# Altium PCB SysUprTestUUUp.PcbDoc (part 2 of 4) (continued)
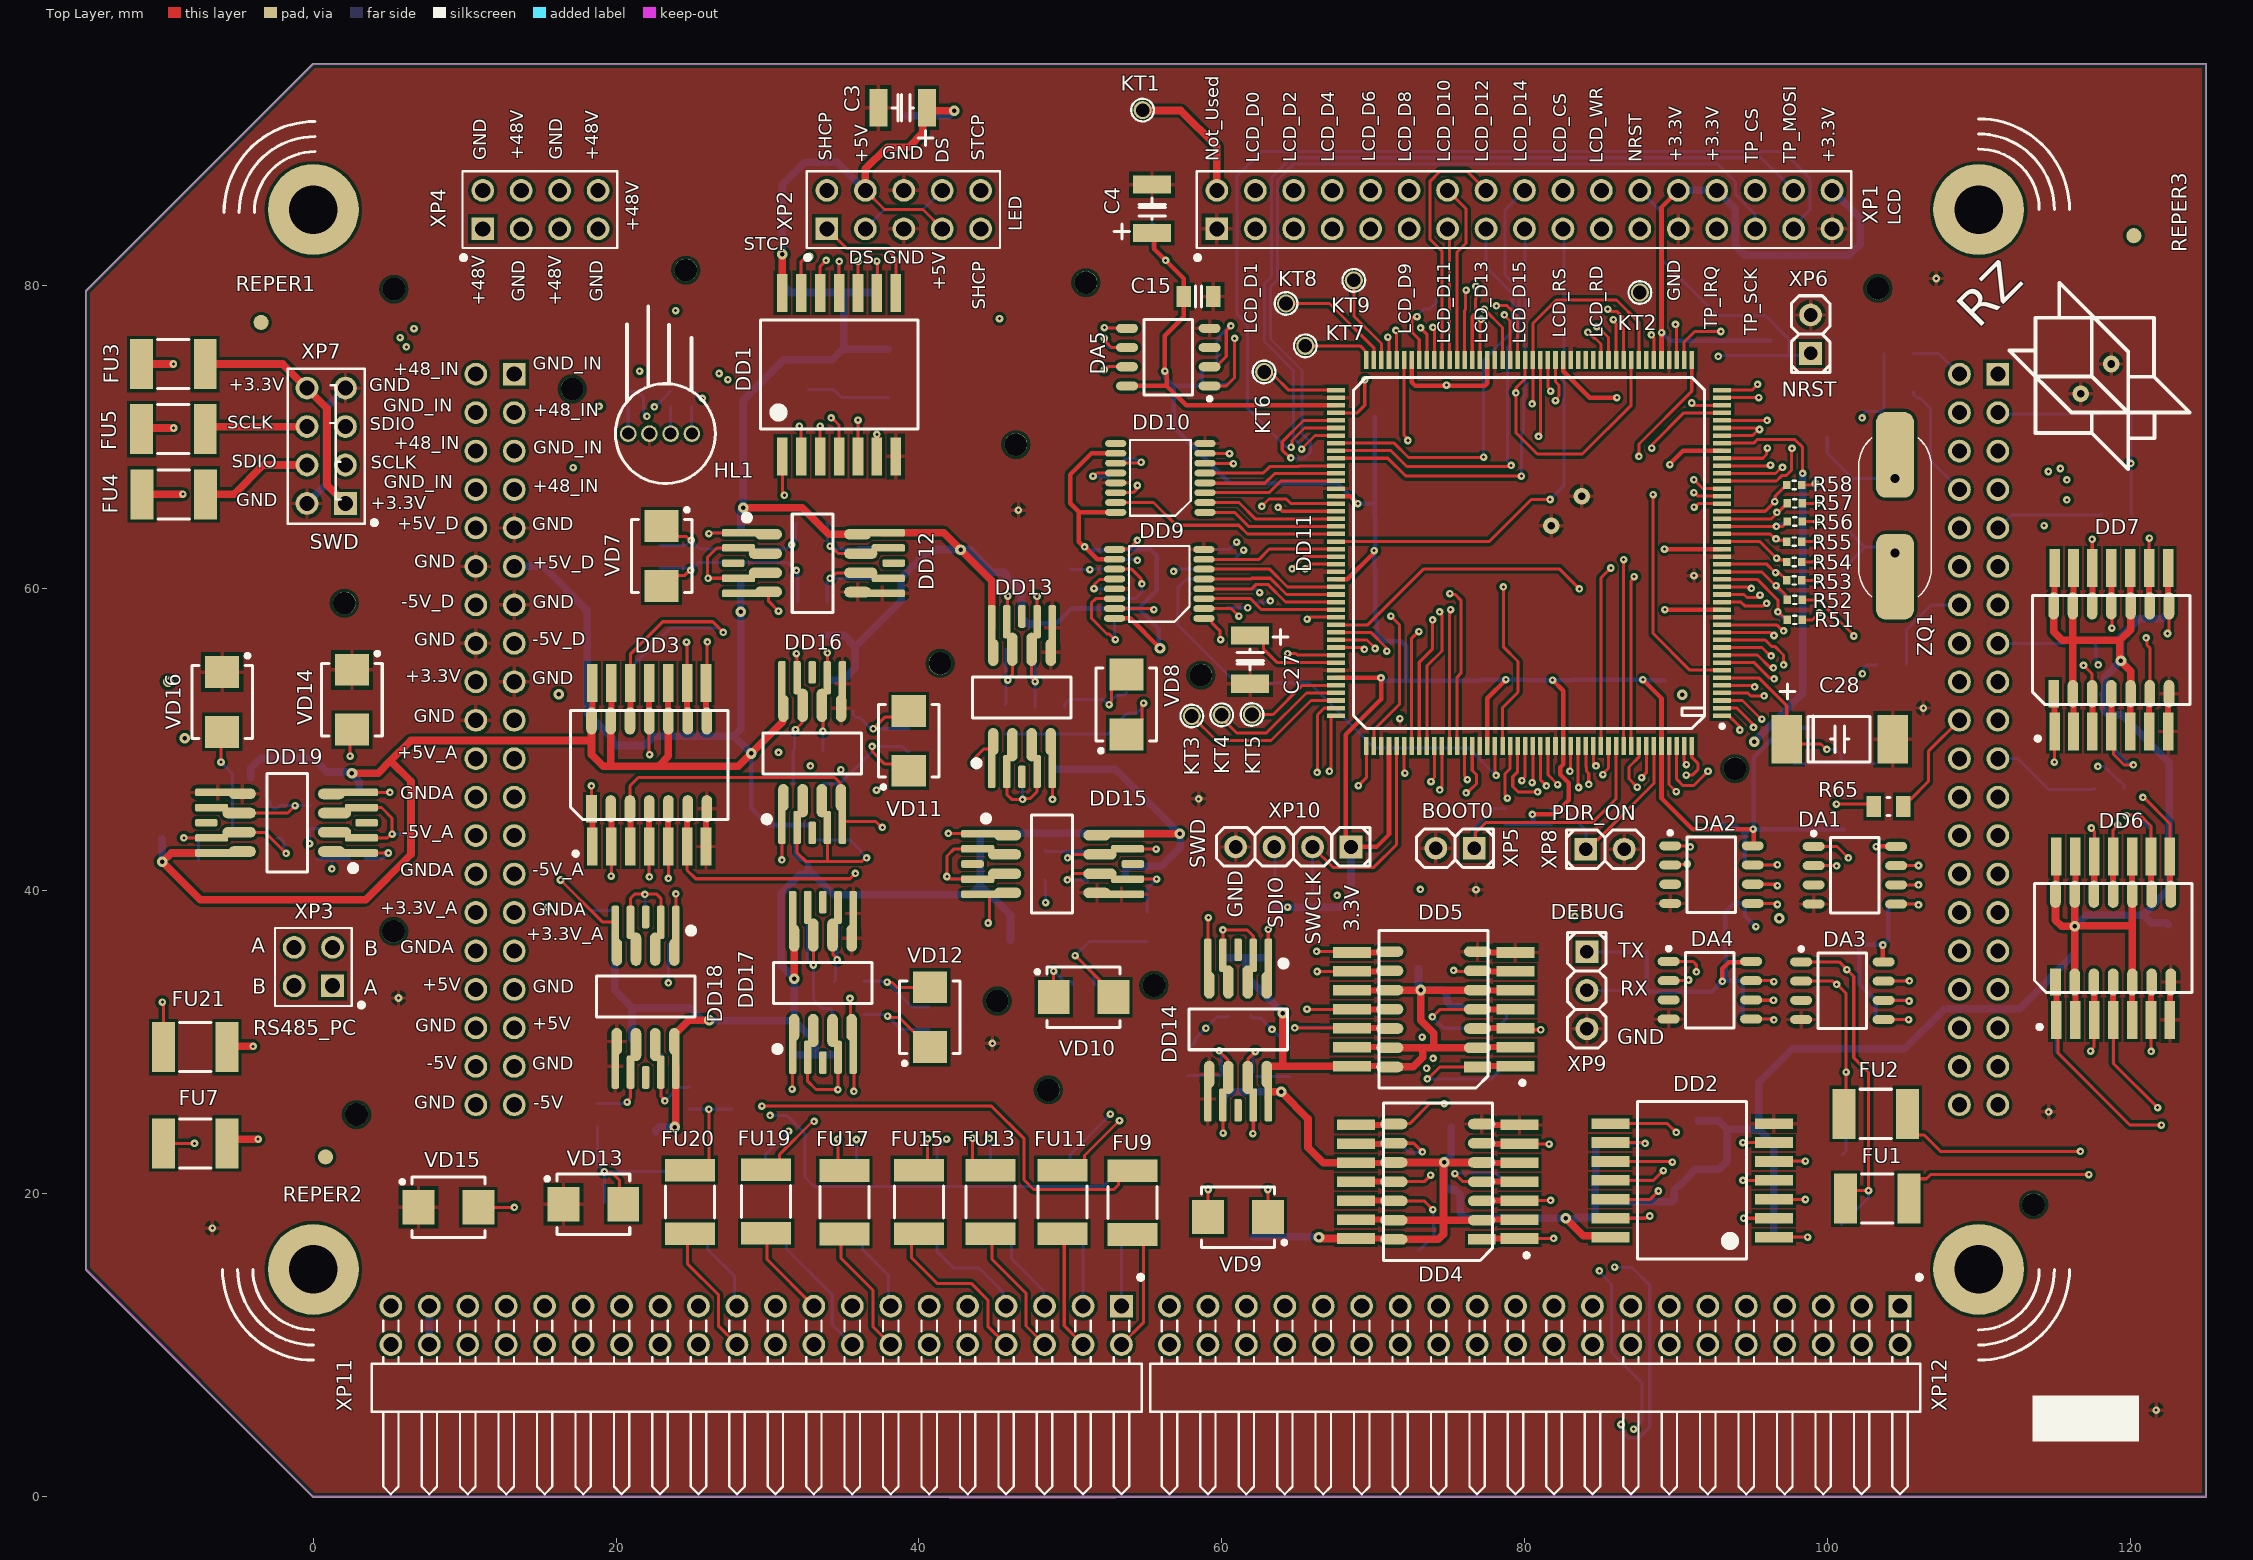
[diagram p0: Top Layer view]
## Nets (pads, with @x,y where several pads share a name; then routed paths per layer and width w, separated by ;. In a path a pad name is that pad's centre, name@x,y a point inside that pad or via, vN(x,y) a via of type N, cw(c..) or ccw(c..) an arc to the next point about the centre after c; other vN are vias at no path point) (continued)
  Mid-Layer 1 w0.2: XP12.13@89.569,12.57 89.693,12.694 89.693,13.718 92.775,16.8 92.775,21.725 v1(94.425,23.375)
ADDR4: DD2.9 DD11.173 R15.1 | length 37.5
  Top Layer w0.2: DD2.9@85.675,23.375 85.687,23.387 87.858,23.387 87.921,23.325 v1(87.975,23.325) ; DD11.173@89.55,49.575 89.55,47.027 v1(90.026,46.551)
  Mid-Layer 1 w0.2: v1(87.975,23.325) 87.975,34.562 88.69,35.277 88.69,43.62 87.46,44.85 87.45,44.85 86.85,45.45 86.85,47.65 87.55,48.35 88.227,48.35 v1(90.026,46.551)
  Bottom Layer w0.2: R15.1@85.7,23.45 85.7,23.425 85.8,23.325 v1(87.975,23.325)
ADDR4_PCB: DD2.8 XP12.14 | length 20.3
  Top Layer w0.2: DD2.8@85.675,24.625 89.45,24.625 v1(90.025,24.05)
  Mid-Layer 1 w0.2: XP12.14@89.569,10.03 88.3,11.299 88.3,14.25 90.525,16.475 90.525,23.524 90.025,24.024 v1(90.025,24.05)
ADDR5: DD2.11 DD11.170 R16.1 | length 36.7
  Top Layer w0.2: DD2.11@85.675,20.875 88.527,20.875 89.175,21.523 v1(89.175,21.525) ; v1(87.741,47.485) 88.05,47.794 DD11.170@88.05,49.575
  Mid-Layer 1 w0.2: v1(87.741,47.485) 89.69,45.536 89.69,33.572 89.175,33.057 v1(89.175,21.525)
  Bottom Layer w0.2: R16.1@85.675,20.9 88.514,20.9 89.139,21.525 v1(89.175,21.525)
ADDR5_PCB: DD2.10 XP12.15 | length 14.8
  Top Layer w0.2: DD2.10@85.675,22.125 89.424,22.125 89.428,22.121 89.737,22.121 v1(89.775,22.083)
  Mid-Layer 1 w0.2: XP12.15@87.029,12.57 87.029,14.129 89.775,16.875 v1(89.775,22.083)
ADDR6: DD2.13 DD11.169 R17.1 | length 37.7
  Top Layer w0.2: DD2.13@85.675,18.375 88,18.375 88.093,18.468 88.218,18.468 v1(88.275,18.525) ; v1(87.45,46.849) 86.9,47.399 86.9,48.18 87.55,48.83 87.55,48.85 DD11.169@87.55,49.575
  Mid-Layer 1 w0.2: v1(87.45,46.849) 87.45,46.794 87.35,46.694 87.35,45.667 88.69,44.327 89.19,43.827 89.19,33.779 88.575,33.164 88.575,23.147 88.25,22.822 88.25,18.55 v1(88.275,18.525)
  Bottom Layer w0.2: R17.1@85.75,18.425 88.034,18.425
ADDR6_PCB: DD2.12 XP12.16 | length 15.4
  Top Layer w0.2: DD2.12@85.675,19.625 88.3,19.625 v1(88.85,20.175)
  Mid-Layer 1 w0.2: XP12.16@87.029,10.03 86.838,10.221 86.838,10.837 85.725,11.95 85.725,14 88.875,17.15 88.875,20.15 v1(88.85,20.175)
BOOT0: DD11.166 R49.1 XP5.1 | length 18.7
  Top Layer w0.2: XP5.1@76.688,42.815 76.764,42.891 76.764,43.839 77.425,44.5 84.475,44.5 86.05,46.075 DD11.166@86.05,49.575
  Bottom Layer w0.2: XP5.1@76.688,42.815 76.688,44.138 77.975,45.425 R49.1@78.775,45.425
CH1_EN: DD11.130 KT3.1 | length 11.3
  Top Layer w0.2: KT3.1@58.025,51.55 59.65,49.925 63.25,49.925 64.375,51.05 65.9,52.575 DD11.130@67.55,52.575
CH2_EN: DD11.129 KT4.1 | length 9.3
  Top Layer w0.2: KT4.1@60,51.625 60,51.425 61,50.425 62.95,50.425 65.6,53.075 DD11.129@67.55,53.075
CH3_EN: DD11.128 KT5.1 | length 6.3
  Top Layer w0.2: KT5.1@62,51.65 63.4,51.65 65.325,53.575 DD11.128@67.55,53.575
CH4_EN: DD11.89 KT6.1 | length 5
  Top Layer w0.2: KT6.1@63.075,74.425 63.425,74.075 64.425,73.075 DD11.89@67.55,73.075
CH5_EN: DD11.88 KT7.1 | length 4.7
  Top Layer w0.2: KT7.1@65.525,76 69.15,76 69.55,75.6 DD11.88@69.55,75.075
CH6_EN: DD11.87 KT8.1 | length 8.5
  Top Layer w0.2: KT8.1@64,78.799 67.126,78.799 70.05,75.875 DD11.87@70.05,75.075 ; KT8.1@64.25,78.849 64.512,78.849 KT8.1@64.512,79
CH7_EN: DD11.86 KT9.1 | length 6
  Top Layer w0.2: KT9.1@68.725,80.325 68.725,77.975 70.55,76.15 DD11.86@70.55,75.075
DS_MISO: DD11.1 XS2.33 | length 31.4
  Top Layer w0.2: DD11.1@93.05,51.575 93.5,51.575 94.187,50.888
  Mid-Layer 2 w0.2: v1(94.225,50.625) 94.225,50.668 95.482,51.925 98.25,51.925 100.525,49.65 100.525,48.5 105.475,43.55 105.475,36.65 107.185,34.94 109.331,34.94 110.18,34.091 110.532,33.739 111.021,33.739 XS2.33@111.27,33.49
DS_MOSI: DD11.2 XS2.34 | length 27.5
  Top Layer w0.2: DD11.2@93.05,52.075 94.025,52.075 95.112,50.988 95.112,50.813 v1(95.13,50.795)
  Mid-Layer 2 w0.2: v1(95.13,50.795) 95.15,50.775 97,50.775 104.675,43.1 104.675,36.319 107.504,33.49 XS2.34@108.73,33.49
GND: C1.1 C2.1 C3.1 C4.1 C5.2 C6.2 C7.1 C8.1 C9.1 C10.2 C11.1 C12.2 C13.1 C14.2 C15.1 C16.1 C17.2 C18.1 C19.2 C20.1 C21.2 C22.1 C23.2 C24.1 C25.1 C26.1 C27.1 C28.1 C29.1 C30.1 C31.1 C32.1 C33.2 C34.2 C35.2 C36.2 C37.2 C38.2 C39.1 C40.1 C41.1 C42.1 C43.1 C44.1 C45.1 C46.1 C47.1 C48.1 C55.1 C56.1 C57.1 C58.1 DA1.4 DA2.4 DA3.4 DA4.4 DA5.4 DD1.7 DD2.7 DD3.7 DD4.7 DD5.7 DD6.7 DD7.7 DD8.8 DD8.13 DD9.8 DD9.13 DD10.8 DD10.13 DD11.14 DD11.22 DD11.48 DD11.61 DD11.71 DD11.90 DD11.102 DD11.113 DD11.126 DD11.135 DD11.148 DD11.158 DD12.5 DD13.5 DD14.5 DD15.5 DD16.5 DD17.5 DD18.5 DD19.5 HL1.3 R1.2 R5.2 R6.2 R7.2 R8.2 R18.2 R19.2 R20.2 R21.2 R22.2 R30.2 R31.2 R32.2 R33.2 R34.2 R35.2 R36.2 R37.2 R38.2 R39.2 R40.2 R41.2 R42.2 R43.2 R44.2 R45.2 R46.2 R47.2 R48.2 R75.1 R76.1 R77.1 R83.1 R92.1 R93.1 R97.1 R98.1 R103.2 R104.2 R117.1 R118.1 R119.1 R120.1 R121.1 R122.1 VD1.KA1 VD2.KA1 VD3.KA1 VD4.KA1 VD5.KA2 VD13.KA1 VD14.KA1 VD15.KA1 VD16.KA1 XP1.1 XP1.25 XP1.33 XP2.5 XP2.6 XP5.2 XP6.2 XP7.2 XP7.7 XP8.2 XP9.3 XP10.4 XS1.9 XS1.12 XS1.13 XS1.16 XS1.17 XS1.20 | length 14.2
  Bottom Layer w0.2: VD5.KA2@-7.15,75.204 VD5.KA2@-7.125,75.179 ; VD4.KA1@-7.125,66.021 VD4.KA1@-7.1,65.996 ; C10.2@32.7,73.125 34.35,73.125 34.9,72.575 C9.1@37.975,72.575
  Bottom Layer w0.5: XP7.2@-0.42,65.59 0.85,66.86 0.85,71.94 XP7.7@2.12,73.21
  other v1: 121.725,5.7 -6.675,17.725 114.625,25.4 44.85,29.925 5.625,32.925 76.8,40.075 58.475,46.075 71.774,51.376 106.35,52.075 91.2,60.825 46.575,65.15 107.2,80.45
  other v3: 81.775,64.125 83.775,66.075 116.75,72.825 118.75,74.8
GND_IN: XP4.2 XP4.3 XP4.6 XP4.7 XS1.1 XS1.4 XS1.5 XS1.8 | length 31.3
  Mid-Layer 1 w0.5: XP4.2@11.19,86.27 XP4.3@13.73,83.73 ; XS1.1@13.27,74.13 13.625,74.485 13.625,83.625 XP4.3@13.73,83.73 ; XP4.7@18.81,83.73 XP4.6@16.27,86.27 XP4.3@13.73,83.73
  Mid-Layer 2 w0.5: XS1.8@10.73,66.51 XS1.5@13.27,69.05 XS1.4@10.73,71.59 XS1.1@13.27,74.13
GND_PCB: XP11.37 XP11.38 XS1.33 XS1.36 XS1.37 XS1.40 | length 27.9
  Mid-Layer 1 w0.5: XP11.37@7.66,12.57 7.66,18.56 10.73,21.63 XS1.40@10.73,25.87
  Mid-Layer 2 w0.5: XS1.40@10.73,25.87 XS1.37@13.27,28.41 XS1.36@10.73,30.95 XS1.33@13.27,33.49
  Bottom Layer w0.5: XP11.38@7.66,10.03 XP11.37@7.66,12.57
GNDA: DD11.37 R67.2 R68.2 R69.2 R70.2 R71.2 R72.2 R73.2 R74.2 XS1.21 XS1.24 XS1.25 XS1.28 XS1.29 XS1.32 | length 142.9
  Top Layer w0.2: DD11.37@93.05,69.575 95.137,69.575 95.362,69.8 97.875,69.8 98.375,69.3 v1(98.375,67.573)
  Mid-Layer 1 w0.5: v2(95.175,49.85) 95.85,49.175 95.85,38.666 96.293,38.224 96.801,38.224 v2(96.825,38.2)
  Mid-Layer 2 w0.5: XS1.32@10.73,36.03 XS1.29@13.27,38.57 XS1.28@10.73,41.11 XS1.25@13.27,43.65 ; XS1.21@13.27,48.73 XS1.24@10.73,46.19 XS1.25@13.27,43.65 ; v2@96.825,38.15 v2(96.825,38.2) 95.875,38.2 94.975,39.1 90.85,39.1 88.4,41.55 83.114,41.55 83.089,41.575 54.25,41.575 52.95,42.875 35.375,42.875 34.6,43.65 XS1.25@13.27,43.65
  Bottom Layer w0.5: v2(95.175,49.85) 98.375,53.05 v1(98.375,67.573)
I2C_SCL: DA5.2 DD11.84 R29.2 | length 19.8
  Top Layer w0.2: DA5.2@59.2,74.62 59.625,74.62 60.3,75.295 60.3,76.997 60.6,77.297 v1(60.6,77.325) ; v1(71.507,77.025) 71.55,76.982 DD11.84@71.55,75.075
  Mid-Layer 2 w0.2: v1(60.6,77.325) 60.681,77.325 60.806,77.45 71.082,77.45 v1(71.507,77.025)
  Bottom Layer w0.2: R29.2@59.675,74.625 59.675,76.475 60.525,77.325 v1(60.6,77.325)
I2C_SDA: DA5.1 DD11.85 R28.2 | length 20.5
  Top Layer w0.2: DA5.1@59.2,73.35 60.3,73.35 60.85,73.9 v1(60.85,76.5) ; v1(70.975,76.57) 70.975,76.489 71.05,76.414 DD11.85@71.05,75.075
  Mid-Layer 2 w0.2: v1(60.85,76.5) 60.869,76.5 61.319,76.95 70.521,76.95 70.902,76.57 v1(70.975,76.57)
  Bottom Layer w0.2: R28.2@59.675,73.35 59.675,73.375 59.775,73.475 60.45,73.475 60.85,73.875 v1(60.85,76.5)
INT1_CP: DD4.3 DD11.160 | length 32.7
  Top Layer w0.2: DD4.3@79.673,19.538 81.713,19.538 v1(81.725,19.55) ; v1(83,47.9) 83.05,47.95 DD11.160@83.05,49.575
  Mid-Layer 1 w0.2: v1(81.725,19.55) 81.725,19.575 82.45,20.3 82.45,45.371 83.025,45.946 83.025,47.875 v1(83,47.9)
INT1_PCB: DD4.1 R30.1 XP12.26 | length 18.3
  Top Layer w0.2: DD4.1@79.673,17.038 81.913,17.038 v1(81.925,17.05)
  Mid-Layer 1 w0.2: XP12.26@74.329,10.03 73.175,11.184 73.175,14.575 75.65,17.05 v1(81.925,17.05)
  Bottom Layer w0.2: R30.1@80.65,17.05 v1(81.925,17.05)
INT2_CP: DD4.6 DD11.156 | length 28.5
  Top Layer w0.2: DD4.6@79.673,23.288 81.612,23.288 v1(81.625,23.275) ; DD11.156@81.05,49.575 81.05,47.341 v1(81.451,46.94)
  Mid-Layer 1 w0.2: v1(81.451,46.94) 81.451,46.886 81.625,46.712 v1(81.625,23.275)
INT2_PCB: DD4.4 R31.1 XP12.27 | length 19.6
  Top Layer w0.2: v1(75.4,21.325) 75.937,20.788 77.233,20.788 DD4.4@79.673,20.788
  Mid-Layer 1 w0.2: XP12.27@71.789,12.57 71.844,12.625 71.844,14.469 75.8,18.425 75.8,20.925 v1(75.4,21.325)
  Bottom Layer w0.2: v1(75.4,21.325) 75.45,21.375 78.1,21.375 78.65,20.825 R31.1@79.625,20.825
INT3_CP: DD4.8 DD11.155 | length 30.1
  Top Layer w0.2: DD4.8@71.373,24.598 71.401,24.626 72.426,24.626 73.75,25.95 v1(74.688,25.95) ; v1(80.51,47.143) 80.548,47.181 80.548,47.345 80.55,47.347 DD11.155@80.55,49.575
  Mid-Layer 1 w0.2: v1(74.688,25.95) 74.726,25.988 74.988,25.988 79.975,30.975 79.975,46.608 v1(80.51,47.143)
INT3_PCB: DD4.9 R32.1 XP12.28 | length 22.5
  Top Layer w0.2: DD4.9@68.873,23.288 70.641,23.288 70.643,23.289 DD4.9@71.311,23.289 ; DD4.9@71.313,23.288 71.353,23.328 72.68,23.328 v1(73.25,22.758)
  Mid-Layer 1 w0.2: XP12.28@71.789,10.03 70.494,11.325 70.494,14.119 74.75,18.375 74.75,19.45 73.25,20.95 v1(73.25,22.758)
  Bottom Layer w0.2: R32.1@71.225,23.275 71.225,23.27 71.805,23.27 72.35,22.725 73.217,22.725 v1(73.25,22.758)
INT4_CP: DD4.11 DD11.154 | length 33.6
  Top Layer w0.2: DD4.11@71.313,20.788 73.38,20.788 73.8,21.208 v1(73.8,21.229) ; v1(79.825,47.287) 79.825,47.329 80.05,47.554 DD11.154@80.05,49.575
  Mid-Layer 1 w0.2: v1(73.8,21.229) 73.8,26.65 79.5,32.35 79.5,46.95 79.825,47.275 v1(79.825,47.287)
INT4_PCB: DD4.12 R33.1 XP12.29 | length 16.8
  Top Layer w0.2: DD4.12@68.873,19.538 71.313,19.538 71.333,19.518 73.38,19.518 v1(73.95,18.948)
  Mid-Layer 1 w0.2: XP12.29@69.249,12.57 69.249,14.247 v1(73.95,18.948)
  Bottom Layer w0.2: R33.1@73.05,16.275 73.05,16.3 73.075,16.3 74.025,17.25 74.025,17.75 73.988,17.787 73.988,18.909 v1(73.95,18.948)
INT5_CP: DD5.3 DD11.153 | length 22.1
  Top Layer w0.2: DD5.3@79.4,30.928 79.503,30.825 v1(81.075,30.825) ; DD11.153@79.55,49.575 79.55,47.868 79.225,47.543 79.225,46.9 79.589,46.536 80.865,46.536 v1(80.873,46.544)
  Mid-Layer 1 w0.2: v1(80.873,46.544) 80.873,46.463 81.075,46.262 v1(81.075,30.825)
INT5_PCB: DD5.1 R34.1 XP12.30 | length 30.1
  Top Layer w0.2: v1(73.58,27.583) 73.622,27.583 74.388,28.35 76.882,28.35 DD5.1@76.93,28.398 ; DD5.1@79.37,28.398 DD5.1@79.4,28.428
  Mid-Layer 1 w0.2: XP12.30@69.249,10.03 67.975,11.304 67.975,21.979 v1(73.58,27.583)
  Bottom Layer w0.2: v1(73.58,27.583) 77.808,27.583 78.625,28.4 R34.1@79.2,28.4
INT6_CP: DD5.6 DD11.152 | length 20.6
  Top Layer w0.2: v1(75.325,34.75) 75.379,34.75 75.451,34.678 76.96,34.678 DD5.6@79.4,34.678 ; v1(78.875,46.125) 78.875,46.179 78.725,46.329 78.725,47.75 79.05,48.075 DD11.152@79.05,49.575
  Mid-Layer 1 w0.2: v1(75.325,34.75) 78.875,38.3 v1(78.875,46.125)
INT6_PCB: DD5.4 R35.1 XP12.31 | length 35.3
  Top Layer w0.2: v1(73.919,31.671) 74.397,32.15 76.872,32.15 DD5.4@76.9,32.178 ; DD5.4@76.96,32.178 DD5.4@79.4,32.178
  Mid-Layer 1 w0.2: XP12.31@66.709,12.57 66.709,13.831 65.625,14.915 65.625,24.5 72.796,31.671 v1(73.919,31.671)
  Bottom Layer w0.2: v1(73.919,31.671) 74.665,30.925 78.175,30.925 78.8,31.55 R35.1@78.8,32.15
INT7_CP: DD5.8 DD11.112 | length 31.1
  Top Layer w0.2: v1(65.525,61.275) 65.542,61.275 65.842,61.575 DD11.112@67.55,61.575 ; v1(66.275,36) 68.528,36 DD5.8@68.6,35.928
  Mid-Layer 1 w0.2: v1(65.525,61.275) 65.1,60.85 65.1,56.293 65.3,56.093 65.3,45.934 67.075,44.159 67.075,36.8 v1(66.275,36)
INT7_PCB: DD5.9 R36.1 XP12.32 | length 29.5
  Top Layer w0.2: v1(66.3,34.675) 68.597,34.675 DD5.9@68.6,34.678
  Mid-Layer 1 w0.2: v1(66.3,34.675) 66.325,34.65 66.325,26.175 64.975,24.825 64.975,14.575 65.5,14.05 65.5,11.239 XP12.32@66.709,10.03
  Bottom Layer w0.2: v1(66.3,34.675) R36.1@67.6,34.675
INT8_CP: DD5.11 DD11.111 | length 35.7
  Top Layer w0.2: v1(64.65,61.275) 65.45,62.075 DD11.111@67.55,62.075 ; v1(65.637,32.188) 65.647,32.178 DD5.11@68.6,32.178
  Mid-Layer 1 w0.2: v1(64.65,61.275) 64.7,61.225 64.7,56.128 64.9,55.928 64.9,49.642 64.9,32.925 v1(65.637,32.188)
INT8_PCB: DD5.12 R37.1 XP12.33 | length 25.2
  Top Layer w0.2: v1(64.825,30.95) 66.479,30.95 66.501,30.928 DD5.12@68.6,30.928
  Mid-Layer 1 w0.2: XP12.33@64.169,12.57 64.169,26.05 64.825,26.706 v1(64.825,30.95)
  Bottom Layer w0.2: v1(64.825,30.95) 64.863,30.988 65.005,30.988 65.012,30.996 66.433,30.996 67.504,30.996 R37.1@67.575,30.925
LCD_CS: DD11.157 XP1.20 | length 51
  Top Layer w0.2: DD11.157@81.55,49.575 81.55,47.663 82.188,47.025 v1(82.188,47.013)
  Mid-Layer 1 w0.2: v1(82.188,47.013) 82.188,47.062 81.25,48 81.25,62.15 80,63.4 80,65.65 81.475,67.125 81.475,70.878 81.175,71.178 81.175,74.878 85.58,79.283 85.58,82.455 86.425,83.3 86.425,86.65 85.65,87.425 83.695,87.425 XP1.20@82.54,86.27
LCD_D0: DD11.104 XP1.4 | length 29.2
  Top Layer w0.2: v1(62.65,65.4) 63.131,65.881 64.269,65.881 64.575,65.575 DD11.104@67.55,65.575
  Mid-Layer 1 w0.2: XP1.4@62.22,86.27 61,85.05 61,81.9 59.65,80.55 59.65,67.075 61.325,65.4 v1(62.65,65.4)
LCD_D1: DD11.105 XP1.3 | length 23.7
  Top Layer w0.2: v1(63.725,65.325) 63.742,65.325 63.992,65.075 DD11.105@67.55,65.075
  Mid-Layer 1 w0.2: XP1.3@62.22,83.73 62.22,83.378 61.525,82.683 61.525,67.303 63.446,65.382 63.668,65.382 v1(63.725,65.325)
LCD_D2: DD11.142 XP1.6 | length 46.7
  Top Layer w0.2: v1(73.825,47.211) 73.825,47.262 74.05,47.487 DD11.142@74.05,49.575
  Mid-Layer 1 w0.2: XP1.6@64.76,86.27 63.55,85.06 63.55,83.118 70,76.668 70,65.797 69.525,65.322 69.525,58 73.925,53.6 73.925,47.365 73.825,47.265 v1(73.825,47.211)
LCD_D3: DD11.143 XP1.5 | length 44
  Top Layer w0.2: v1(74.404,46.667) 74.404,46.722 74.55,46.868 DD11.143@74.55,49.575
  Mid-Layer 1 w0.2: XP1.5@64.76,83.73 64.844,83.646 64.844,82.717 70.425,77.136 70.425,69.854 70.625,69.654 70.625,57.475 74.425,53.675 74.425,46.689 v1(74.404,46.667)
LCD_D4: DD11.68 XP1.8 | length 21.5
  Top Layer w0.2: v1(78.143,78.644) 78.156,78.658 78.845,78.658 79.225,78.278 79.225,78.24 79.55,77.915 DD11.68@79.55,75.075
  Mid-Layer 1 w0.2: XP1.8@67.3,86.27 68.525,85.045 68.525,83.325 69.288,82.563 70.413,82.563 75.875,77.1 77.626,77.1 78.125,77.599 78.125,78.627 v1(78.143,78.644)
LCD_D5: DD11.69 XP1.7 | length 18.5
  Top Layer w0.2: v1(78.675,78.05) 78.675,78.022 79.05,77.647 DD11.69@79.05,75.075
  Mid-Layer 1 w0.2: XP1.7@67.3,83.73 68.955,82.075 70.225,82.075 75.8,76.5 77.733,76.5 78.675,77.442 v1(78.675,78.05)
LCD_D6: DD11.70 XP1.10 | length 15.7
  Top Layer w0.2: v1(77.35,78.418) 77.35,78.41 78.55,77.21 DD11.70@78.55,75.075
  Mid-Layer 1 w0.2: XP1.10@69.84,86.27 69.84,85.945 70.221,85.564 70.221,85.554 71.025,84.75 71.025,83.225 75.832,78.418 v1(77.35,78.418)
LCD_D7: DD11.73 XP1.9 | length 12.5
  Top Layer w0.2: DD11.73@77.05,75.075 77.05,77.58 77.139,77.669 v1(77.139,77.75)
  Mid-Layer 1 w0.2: XP1.9@69.84,83.73 75.869,77.701 77.091,77.701 v1(77.139,77.75)
LCD_D8: DD11.74 XP1.12 | length 13.1
  Top Layer w0.2: DD11.74@76.55,75.075 76.55,77.95 76.75,78.15 76.75,79.059 76.796,79.105 v1(76.796,79.944)
  Mid-Layer 1 w0.2: XP1.12@72.38,86.27 72.61,86.04 72.61,85.54 73.65,84.5 73.65,83.2 76.703,80.147 76.703,80.091 76.796,79.998 v1(76.796,79.944)
LCD_D9: DD11.75 XP1.11 | length 10.3
  Top Layer w0.2: DD11.75@76.05,75.075 76.05,78.334 76.112,78.395 76.112,79.637 v1(76.15,79.675)
  Mid-Layer 1 w0.2: XP1.11@72.38,83.73 72.38,83.445 v1(76.15,79.675)
LCD_D10: DD11.76 XP1.14 | length 12
  Top Layer w0.2: XP1.14@74.92,86.27 76.15,85.04 76.15,82.8 75.55,82.2 DD11.76@75.55,75.075
LCD_D11: DD11.77 XP1.13 | length 8.7
  Top Layer w0.2: XP1.13@74.92,83.73 75.05,83.6 DD11.77@75.05,75.075
LCD_D12: DD11.78 XP1.16 | length 16.6
  Top Layer w0.2: DD11.78@74.55,75.075 74.55,75.613 74.55,82.25 73.775,83.025 73.775,86.875 74.425,87.525 76.205,87.525 XP1.16@77.46,86.27
LCD_D13: DD11.96 XP1.15 | length 26.8
  Top Layer w0.2: DD11.96@67.55,69.575 71.389,69.575 72.339,68.625 77.275,68.625 v1(77.3,68.65)
  Bottom Layer w0.2: v1(77.3,68.65) 77.3,75.05 79.225,76.975 79.225,79.443 77.46,81.208 XP1.15@77.46,83.73
LCD_D14: DD11.97 XP1.18 | length 31.5
  Top Layer w0.2: DD11.97@67.55,69.075 71.182,69.075 72.232,68.025 78.906,68.025 78.942,68.062 79.084,68.062 v1(79.122,68.1)
  Bottom Layer w0.2: v1(79.122,68.1) 79.122,68.12 78.875,68.367 78.875,75.918 79.65,76.693 79.65,79.725 78.725,80.65 78.725,84.995 XP1.18@80,86.27
LCD_D15: DD11.98 XP1.17 | length 29.2
  Top Layer w0.2: DD11.98@67.55,68.575 70.975,68.575 72.15,67.4 v1(79.8,67.4)
  Bottom Layer w0.2: v1(79.8,67.4) 79.8,70.217 79.95,70.367 79.95,72.647 80.05,72.747 80.05,83.68 XP1.17@80,83.73
LCD_RD: DD11.146 XP1.21 | length 42.3
  Top Layer w0.2: DD11.146@76.05,49.575 76.05,47.578 76.225,47.403 v1(76.225,47.349)
  Mid-Layer 1 w0.2: v1(76.225,47.349) 76.225,71.25 85.08,80.105 XP1.21@85.08,83.73
LCD_RS: DD11.109 XP1.19 | length 33.6
  Top Layer w0.2: DD11.109@67.55,63.075 77.675,63.075 80.45,65.85 v1(81.7,65.85)
  Bottom Layer w0.2: v1(81.7,65.85) 82.6,66.75 82.6,83.67 XP1.19@82.54,83.73
LCD_WR: DD11.147 XP1.22 | length 47.5
  Top Layer w0.2: v1(76.15,46.475) 76.204,46.475 76.304,46.575 76.325,46.575 76.825,47.075 76.825,47.672 76.55,47.947 DD11.147@76.55,49.575
  Mid-Layer 1 w0.2: v1(76.15,46.475) 75.625,47 75.625,47.597 75.725,47.697 75.725,71.525 83.85,79.65 83.85,85.04 XP1.22@85.08,86.27
LED1_CP: DD6.8 DD11.10 | length 38.2
  Top Layer w0.2: DD11.10@93.05,56.075 95.693,56.075 96.243,55.525 v1(96.288,55.525) ; v1(120.85,46.175) 120.9,46.175 122.635,44.44 DD6.8@122.635,42.275
  Mid-Layer 2 w0.2: v1(96.288,55.525) 96.338,55.475 98.166,55.475 100.916,52.725 103.025,50.616 103.025,49.416 107.341,45.1 118.825,45.1 119.9,46.175 v1(120.85,46.175)
LED1_PCB: DD6.9 R43.1 XP12.17 | length 85.7
  Top Layer w0.2: v1(119.743,44.975) 119.781,45.013 120.338,45.013 120.35,45.025 120.65,45.025 121.385,44.29 DD6.9@121.385,42.275
  Mid-Layer 1 w0.2: XP12.17@84.489,12.57 84.681,12.379 84.681,11.844 85.7,10.825 85.7,9.132 87.257,7.575 93.384,7.575 95.384,5.575 114.115,5.575 119.075,10.535 119.075,41.676 116.775,43.976 116.775,44.475 117.275,44.975 v1(119.743,44.975)
  Bottom Layer w0.2: v1(119.743,44.975) 119.754,44.987 120.438,44.987 121.35,44.075 121.35,43.275 R43.1@121.375,43.275
LED2_CP: DD6.11 DD11.11 | length 34.5
  Top Layer w0.2: DD11.11@93.05,56.575 95.9,56.575 96.319,56.156 96.529,56.156 97.11,55.575 97.11,54.94 v1(97.125,54.925) ; DD6.11@118.885,42.275 118.875,42.285 118.875,44.004 119.193,44.322 v1(119.193,44.375)
  Mid-Layer 2 w0.2: v1(97.125,54.925) 98.15,54.925 102.625,50.45 102.625,49.25 107.175,44.7 118.875,44.7 119.193,44.382 v1(119.193,44.375)
LED2_PCB: DD6.12 R44.1 XP12.18 | length 76.9
  Top Layer w0.2: v1(117.45,44.15) 117.45,44.098 117.666,43.882 117.666,42.306 DD6.12@117.635,42.275
  Mid-Layer 1 w0.2: XP12.18@84.489,10.03 84.489,9.705 84.841,9.354 84.841,9.284 86.95,7.175 93.219,7.175 95.219,5.175 114.281,5.175 119.475,10.369 119.475,42.125 v1(117.45,44.15)
  Bottom Layer w0.2: v1(117.45,44.15) 117.45,44.096 117.625,43.921 117.625,43.375 117.6,43.35 R44.1@117.6,43.275
LED3_CP: DD7.3 DD11.12 | length 26.9
  Top Layer w0.2: DD11.12@93.05,57.075 96.221,57.075 96.427,56.869 v1(96.481,56.869) ; v1(116.925,54.9) 117.495,54.33 DD7.3@117.495,53.025
  Mid-Layer 2 w0.2: v1(96.481,56.869) 96.538,56.812 96.71,56.812 96.897,56.625 100.8,56.625 102.125,55.3 108.295,55.3 116.5,55.3 116.9,54.9 v1(116.925,54.9)
LED3_PCB: DD7.1 R45.1 XP12.19 | length 90
  Top Layer w0.2: v1(115.007,48.507) 115.007,50.517 DD7.1@115.015,50.525
  Mid-Layer 1 w0.2: XP12.19@81.949,12.57 81.949,12.501 83.2,11.25 83.2,9.182 85.607,6.775 93.053,6.775 95.053,4.775 114.447,4.775 119.875,10.203 119.875,41.975 120.75,42.85 120.75,44.875 119.95,45.675 117.84,45.675 v1(115.007,48.507)
  Bottom Layer w0.2: R45.1@115,49.525 115,48.515 v1(115.007,48.507)
LED4_CP: DD7.6 DD11.13 | length 32.3
  Top Layer w0.2: DD11.13@93.05,57.575 93.588,57.575 96.655,57.575 96.955,57.275 96.971,57.275 97.071,57.175 v1(97.125,57.175) ; v1(121.07,56.705) 121.127,56.648 121.127,56.233 121.305,56.055 DD7.6@121.305,53.025
  Mid-Layer 2 w0.2: v1(97.125,57.175) 97.167,57.175 97.392,57.4 113.459,57.4 114.154,56.705 v1(121.07,56.705)
LED4_PCB: DD7.4 R46.1 XP12.20 | length 87.6
  Top Layer w0.2: DD7.4@118.765,50.525 118.901,50.389 118.901,49.024 119.6,48.325 v1(120.225,48.325)
  Mid-Layer 1 w0.2: XP12.20@81.949,10.03 81.949,9.726 85.3,6.375 92.887,6.375 94.887,4.375 114.612,4.375 120.275,10.038 120.275,41.75 121.45,42.925 121.45,47.15 120.275,48.325 v1(120.225,48.325)
  Bottom Layer w0.2: R46.1@118.775,49.525 118.8,49.525 118.9,49.425 118.9,49.413 119.95,48.363 120.187,48.363 v1(120.225,48.325)
LED5_CP: DD7.8 DD11.16 | length 33.1
  Top Layer w0.2: DD11.16@93.05,59.075 94.294,59.075 94.544,58.825 95.773,58.825 95.936,58.988 v1(95.99,58.988) ; v1(122.475,57) 122.475,57.054 122.575,57.154 DD7.8@122.575,58.825
  Mid-Layer 2 w0.2: v1(95.99,58.988) 95.995,58.982 97.007,58.982 97.965,59.94 119.535,59.94 v1(122.475,57)
LED5_PCB: DD7.9 R47.1 XP12.21 | length 114.2
  Top Layer w0.2: DD7.9@121.265,61.325 121.265,63.29 v1(121.275,63.3)
  Mid-Layer 1 w0.2: XP12.21@79.409,12.57 80.675,11.304 80.675,9.375 84.075,5.975 92.722,5.975 94.722,3.975 114.778,3.975 120.675,9.872 120.675,27.007 123.175,29.507 123.175,57.6 118.25,62.525 117.175,62.525 116.875,62.825 116.875,63.525 117.375,64.025 120.55,64.025 v1(121.275,63.3)
  Bottom Layer w0.2: R47.1@121.275,62.325 v1(121.275,63.3)
LED6_CP: DD7.11 DD11.17 | length 29
  Top Layer w0.2: DD11.17@93.05,59.575 94.501,59.575 94.701,59.375 95.34,59.375 95.503,59.538 v1(95.557,59.538) ; DD7.11@118.765,58.825 118.8,58.79 v1(118.8,57.35)
  Mid-Layer 2 w0.2: v1(95.557,59.538) 95.557,59.457 95.383,59.283 95.383,58.817 96.375,57.825 118.325,57.825 v1(118.8,57.35)
LED6_PCB: DD7.12 R48.1 XP12.22 | length 107.8
  Top Layer w0.2: v1(117.491,63.225) 117.503,63.213 117.503,61.337 DD7.12@117.515,61.325
  Mid-Layer 1 w0.2: XP12.22@79.409,10.03 79.409,9.866 83.7,5.575 92.556,5.575 94.556,3.575 114.944,3.575 121.075,9.706 121.075,26.7 123.875,29.5 123.875,58 118.65,63.225 v1(117.491,63.225)
  Bottom Layer w0.2: v1(117.491,63.225) 117.496,63.221 117.496,62.35 R48.1@117.5,62.35
LED_DEBUG_B_CP: DD1.5 DD11.44 | length 65.3
  Top Layer w0.2: DD1.5@35.975,68.7 35.975,70.587 v1(35.975,71.1) ; DD11.44@93.05,73.075 95.025,73.075 v1(95.4,73.45)
  Mid-Layer 2 w0.2: v1(35.975,71.1) 93.05,71.1 v1(95.4,73.45)
LED_DEBUG_G_CP: DD1.3 DD11.43 | length 67.3
  Top Layer w0.2: DD1.3@33.475,68.7 v1(33.475,70.7) ; DD11.43@93.05,72.575 v1(95.475,72.575)
  Mid-Layer 2 w0.2: v1(33.475,70.7) 33.532,70.643 33.675,70.643 33.767,70.55 36.847,70.55 36.997,70.7 93.446,70.7 95.283,72.537 95.437,72.537 v1(95.475,72.575)
LED_DEBUG_O_B: DD1.6 R100.1 | length 19.7
  Top Layer w0.2: DD1.6@37.225,68.7 v1(37.225,70.15)
  Mid-Layer 2 w0.2: v1(22.025,71.35) 30.1,71.35 31.3,70.15 v1(37.225,70.15)
  Bottom Layer w0.2: R100.1@20.8,73 21.4,73 21.8,72.6 21.8,71.617 22.025,71.392 v1(22.025,71.35)
LED_DEBUG_O_G: DD1.4 R99.1 | length 12.7
  Top Layer w0.2: v1(34.2,71.25) 34.25,71.25 34.725,70.775 DD1.4@34.725,68.7
  Mid-Layer 2 w0.2: v1(25.7,72.525) 32.925,72.525 v1(34.2,71.25)
  Bottom Layer w0.2: R99.1@24.975,73 25,73 25.418,72.582 25.643,72.582 v1(25.7,72.525)
LED_DEBUG_O_R: DD1.2 R94.1 | length 13.7
  Top Layer w0.2: v1(32.1,70.7) 32.1,70.621 32.225,70.496 DD1.2@32.225,68.7
  Mid-Layer 2 w0.2: v1(22.525,71.975) 30.8,71.975 32.075,70.7 v1(32.1,70.7)
  Bottom Layer w0.2: v1(22.525,71.975) 22.575,71.975 23.425,72.825 23.425,72.85 23.575,73 R94.1@23.6,73
LED_DEBUG_R_CP: DD1.1 DD11.7 | length 76.2
  Top Layer w0.2: DD1.1@30.975,68.7 30.975,66.407 31.011,66.372 31.011,66.286 31.111,66.186 v1(31.111,66.132) ; v1(88.5,66.175) 88.5,57 90.925,54.575 DD11.7@93.05,54.575
  Mid-Layer 2 w0.2: v1(31.111,66.132) 68.488,66.132 69.131,66.775 80.575,66.775 81.675,67.875 86.8,67.875 v1(88.5,66.175)